# Altium PCB sudoku.PcbDoc (part 3 of 3)
Units mm, origin at the board's own origin, x right, y up, seen from the top; angles counter-clockwise.
Board outline 132.88 x 176.62 mm, 2 copper layers (Top Layer, Bottom Layer); 202 components, 219 nets, 913 pads, 533 vias.
Unrouted connection lines stored in the file: 35.
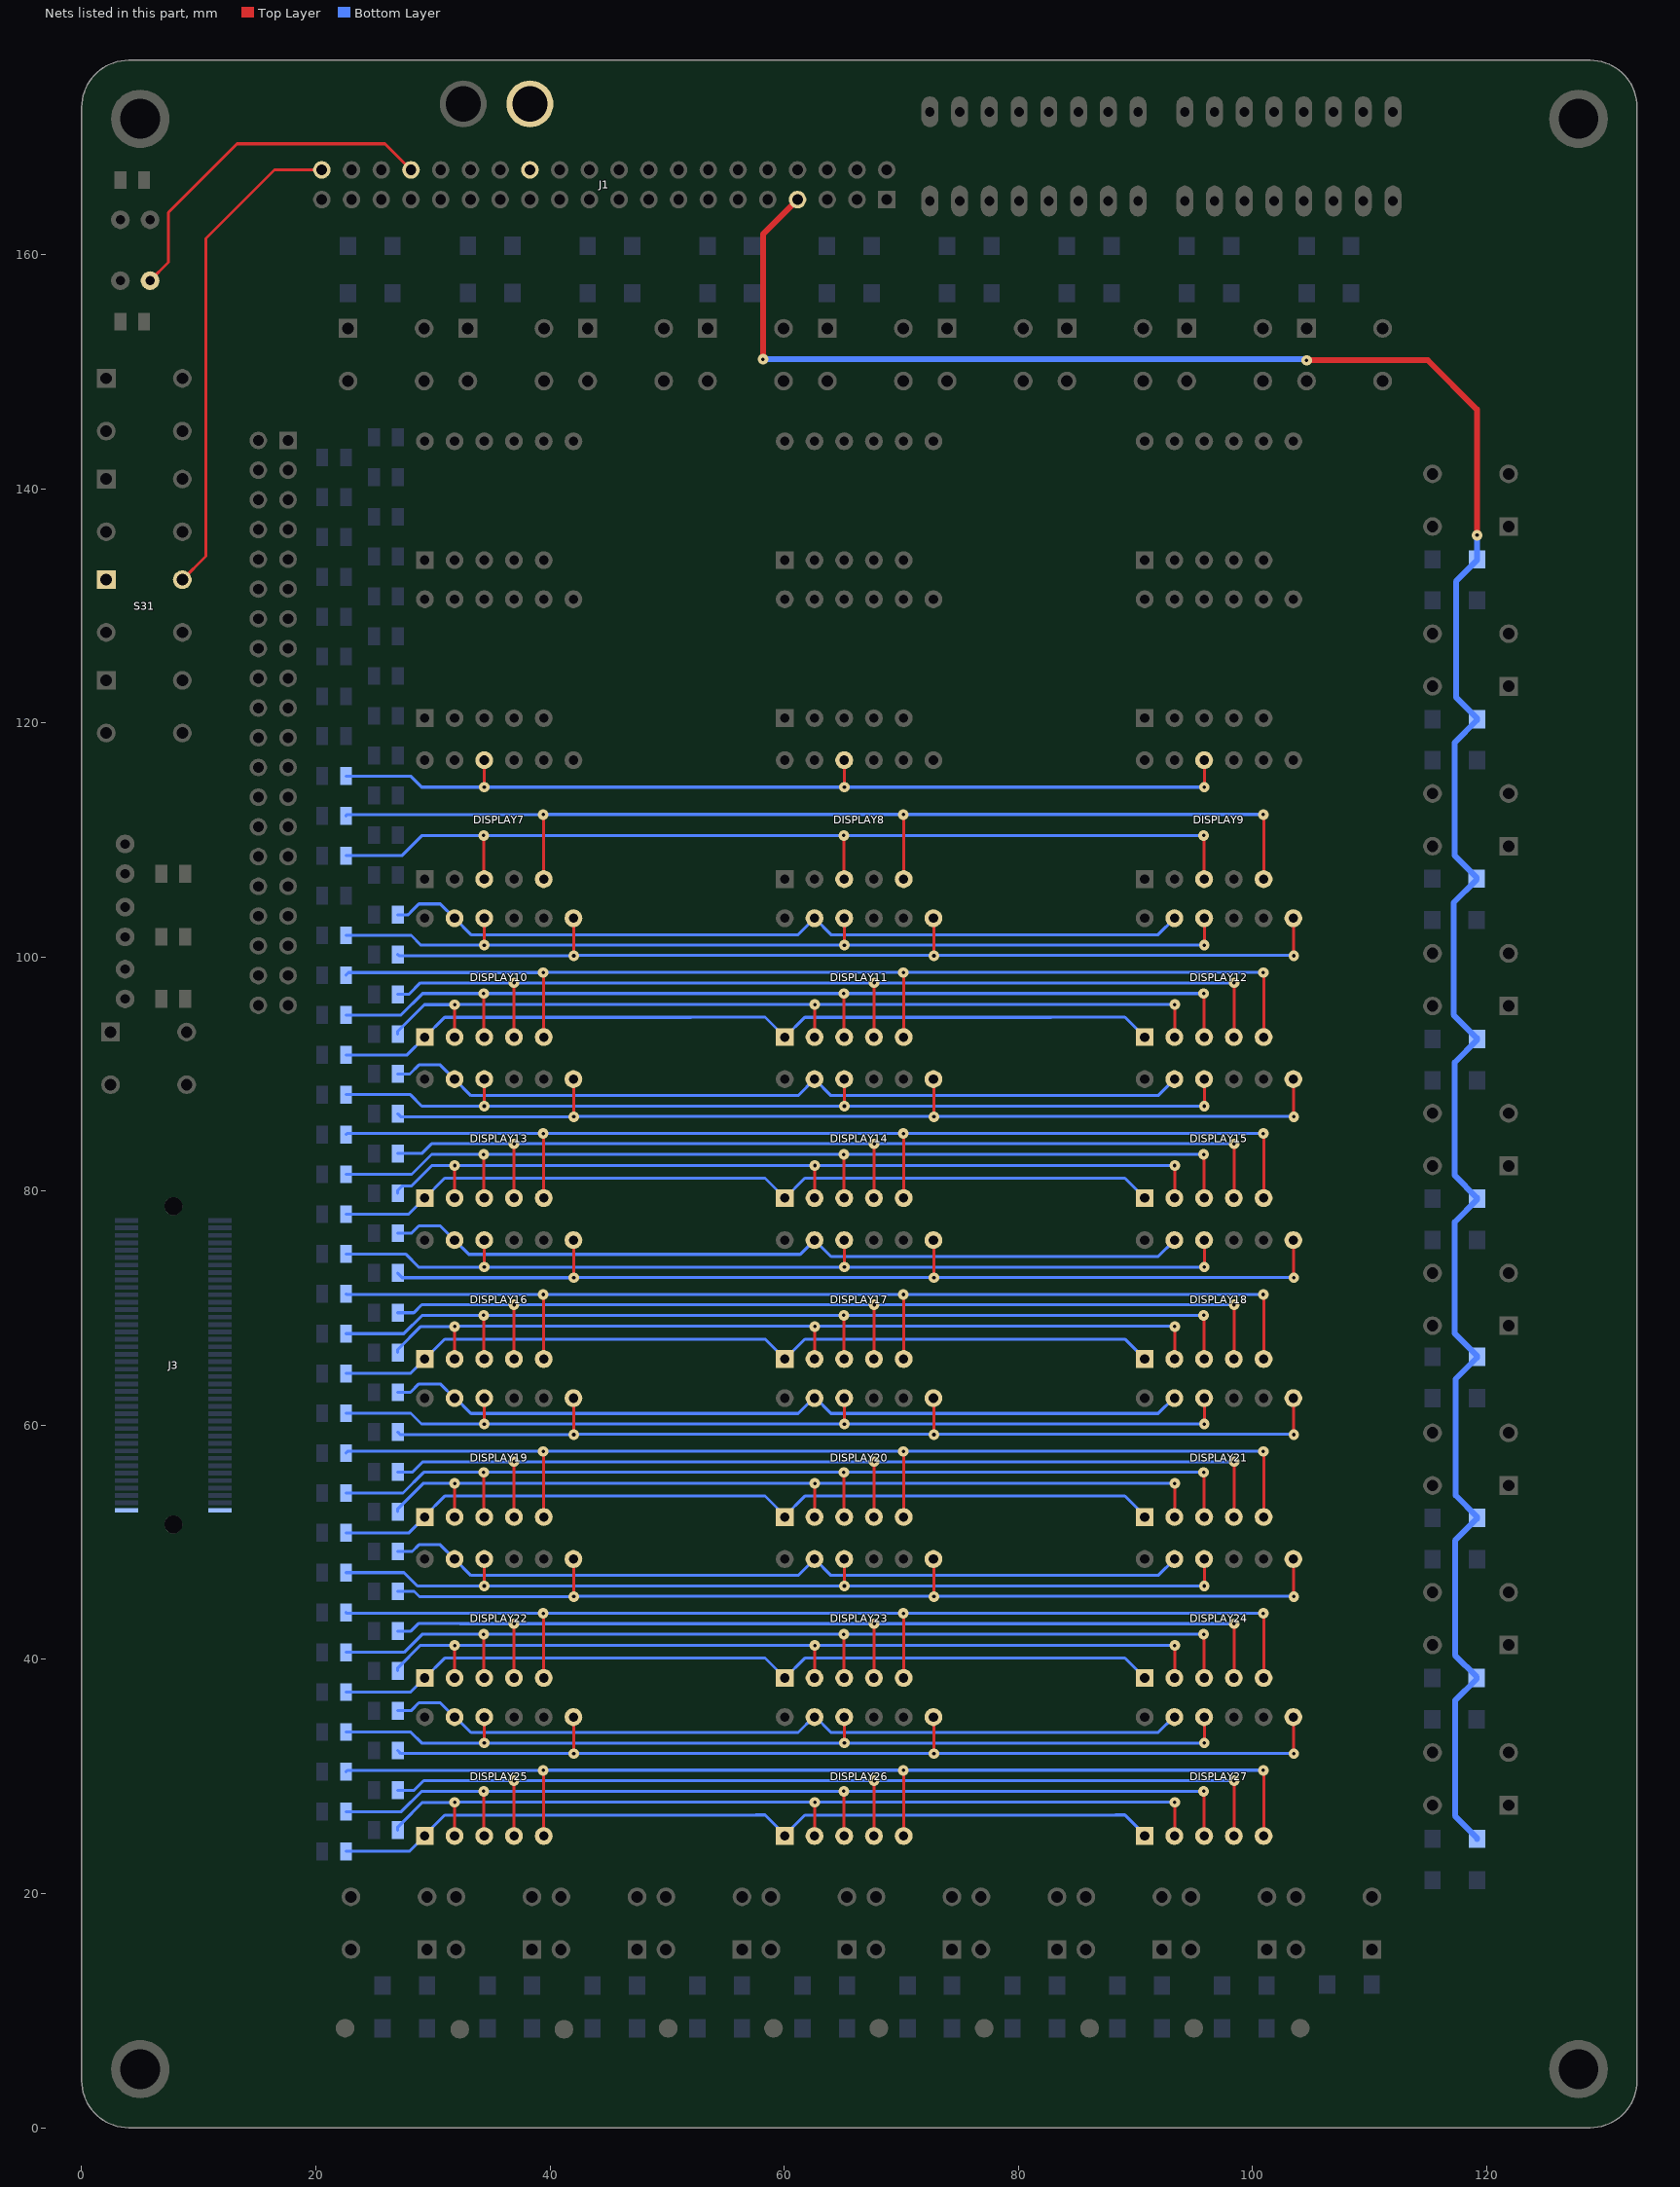
[diagram p3: the nets of this part, all layers, seen from the top]

## Via types
v1: diameter 0.9, hole 0.3, Top Layer to Bottom Layer, 533 vias

## Nets (pads, with @x,y where several pads share a name; then routed paths per layer and width w, separated by ;. In a path a pad name is that pad's centre, name@x,y a point inside that pad or via, vN(x,y) a via of type N, cw(c..) or ccw(c..) an arc to the next point about the centre after c; other vN are vias at no path point) (continued)
ROW2LED5: DISPLAY7.10 DISPLAY8.10 DISPLAY9.10 R70.2 | length 80.6
  Top Layer w0.254: v1(34.384,114.525) 34.386,114.527 34.386,116.828 DISPLAY7.10@34.389,116.83 ; v1(65.151,114.525) 65.153,114.527 65.153,116.828 DISPLAY8.10@65.155,116.83 ; v1(95.901,114.525) 95.903,114.527 95.903,116.828 DISPLAY9.10@95.905,116.83
  Bottom Layer w0.254: R70.2@22.57,115.477 28.091,115.477 29.043,114.525 v1(34.384,114.525) v1(65.151,114.525) v1(95.901,114.525)
ROW2LED6: DISPLAY7.5 DISPLAY8.5 DISPLAY9.5 R71.2 | length 95
  Top Layer w0.254: v1@39.46,112.154 39.46,106.678 DISPLAY7.5@39.469,106.67 ; v1(70.194,112.187) 70.227,112.154 70.227,106.678 DISPLAY8.5@70.235,106.67 ; v1(100.944,112.187) 100.977,112.154 100.977,106.678 DISPLAY9.5@100.985,106.67
  Bottom Layer w0.254: R71.2@22.57,112.074 22.683,112.187 v1(39.427,112.187) ; v1@39.44,112.2 70.181,112.2 v1(70.194,112.187) ; v1@70.19,112.2 v1@100.931,112.2
ROW2LED7: DISPLAY7.3 DISPLAY8.3 DISPLAY9.3 R72.2 | length 85.2
  Top Layer w0.254: v1@34.361,110.373 34.361,106.697 DISPLAY7.3@34.389,106.67 ; v1(65.101,110.4) 65.128,110.373 65.128,106.697 65.147,106.678 DISPLAY8.3@65.155,106.67 ; v1(95.851,110.4) 95.878,110.373 95.878,106.697 95.897,106.678 DISPLAY9.3@95.905,106.67
  Bottom Layer w0.254: R72.2@22.57,108.671 27.346,108.671 29.075,110.4 v1(34.334,110.4) ; v1@34.359,110.4 v1(65.101,110.4) ; v1@65.109,110.4 v1(95.851,110.4)
ROW3LED0: DISPLAY10.11 DISPLAY11.11 DISPLAY12.11 R25.2 | length 69.6
  Top Layer w0.254: DISPLAY10.11@31.841,103.323 DISPLAY10.11@31.849,103.33 ; DISPLAY11.11@62.608,103.323 DISPLAY11.11@62.615,103.33 ; DISPLAY12.11@93.358,103.323 DISPLAY12.11@93.365,103.33
  Bottom Layer w0.254: R25.2@27,103.625 27.889,103.625 28.09,103.826 28.09,103.835 28.804,104.549 30.63,104.549 DISPLAY10.11@31.849,103.33 33.254,101.925 61.21,101.925 62.607,103.322 62.615,103.33 64.02,101.925 ; 64.004,101.925 64.02,101.925 ; DISPLAY12.11@93.365,103.33 93.357,103.322 91.96,101.925 64.02,101.925
ROW3LED1: DISPLAY10.7 DISPLAY11.7 DISPLAY12.7 R26.2 | length 86.1
  Top Layer w0.254: v1@42.021,100.132 DISPLAY10.7@42.021,103.317 ; v1@72.788,100.132 DISPLAY11.7@72.788,103.317 ; v1@103.538,100.132 DISPLAY12.7@103.538,103.317
  Bottom Layer w0.254: R26.2@27,100.225 27.106,100.119 v1(42.034,100.119) ; v1@42.059,100.144 72.776,100.144 v1(72.801,100.119) ; v1@72.809,100.144 v1@103.526,100.144
  other v1: 103.551,100.119
ROW3LED2: DISPLAY10.4 DISPLAY11.4 DISPLAY12.4 R27.2 | length 85.8
  Top Layer w0.254: DISPLAY10.4@36.929,93.17 v1(36.929,97.806) ; DISPLAY11.4@67.695,93.17 v1(67.695,97.806) ; DISPLAY12.4@98.445,93.17 v1(98.445,97.806)
  Bottom Layer w0.254: R27.2@27,96.825 27.95,96.825 28.931,97.806 v1(36.929,97.806) v1(67.695,97.806) v1(98.445,97.806)
ROW3LED3: DISPLAY10.2 DISPLAY11.2 DISPLAY12.2 R28.2 | length 75.9
  Top Layer w0.254: DISPLAY10.2@31.849,93.17 31.854,93.175 31.854,95.939 v1(31.859,95.944) ; DISPLAY11.2@62.615,93.17 62.621,93.175 v1@62.621,95.945 ; v1@62.621,95.96 v1@62.626,95.965 ; DISPLAY12.2@93.365,93.17 93.371,93.175 v1@93.371,95.945 ; v1@93.371,95.96 v1@93.376,95.965
  Bottom Layer w0.254: R28.2@27,93.425 27,93.679 29.265,95.944 v1(31.859,95.944) 31.878,95.963 62.614,95.963 v1(62.626,95.95) ; v1@62.634,95.963 v1@93.364,95.963
  other v1: 93.376,95.95
ROW3LED4: DISPLAY10.1 DISPLAY11.1 DISPLAY12.1 R29.2 | length 75.2
  Bottom Layer w0.254: R29.2@22.57,91.657 27.796,91.657 DISPLAY10.1@29.309,93.17 31.001,94.862 50.31,94.862 ; 52.059,94.862 50.31,94.862 ; 82.826,94.862 81.06,94.862 ; DISPLAY12.1@90.825,93.17 89.12,94.875 88.326,94.875 81.06,94.862 ; 50.31,94.862 57.576,94.875 58.37,94.875 60.075,93.17 61.768,94.862 81.06,94.862
ROW3LED5: DISPLAY10.10 DISPLAY11.10 DISPLAY12.10 R31.2 | length 80.6
  Top Layer w0.254: v1(34.384,101.025) 34.386,101.027 34.386,103.328 DISPLAY10.10@34.389,103.33 ; v1(65.151,101.025) 65.153,101.027 65.153,103.328 DISPLAY11.10@65.155,103.33 ; v1(95.901,101.025) 95.903,101.027 95.903,103.328 DISPLAY12.10@95.905,103.33
  Bottom Layer w0.254: R31.2@22.57,101.866 28.147,101.866 28.987,101.025 v1(34.384,101.025) v1(65.151,101.025) v1(95.901,101.025)
ROW3LED6: DISPLAY10.5 DISPLAY11.5 DISPLAY12.5 R33.2 | length 95
  Top Layer w0.254: v1@39.46,98.654 39.46,93.178 DISPLAY10.5@39.469,93.17 ; v1(70.194,98.687) 70.227,98.654 70.227,93.178 DISPLAY11.5@70.235,93.17 ; v1(100.944,98.687) 100.977,98.654 100.977,93.178 DISPLAY12.5@100.985,93.17
  Bottom Layer w0.254: R33.2@22.57,98.463 22.795,98.687 v1(39.427,98.687) ; v1@39.44,98.7 70.181,98.7 v1(70.194,98.687) ; v1@70.19,98.7 v1@100.931,98.7
ROW3LED7: DISPLAY10.3 DISPLAY11.3 DISPLAY12.3 R35.2 | length 85.2
  Top Layer w0.254: v1@34.361,96.873 34.361,93.197 DISPLAY10.3@34.389,93.17 ; v1(65.101,96.9) 65.128,96.873 65.128,93.197 65.147,93.178 DISPLAY11.3@65.155,93.17 ; v1(95.851,96.9) 95.878,96.873 95.878,93.197 95.897,93.178 DISPLAY12.3@95.905,93.17
  Bottom Layer w0.254: R35.2@22.57,95.06 27.277,95.06 29.117,96.9 v1(34.334,96.9) ; v1@34.359,96.9 v1(65.101,96.9) ; v1@65.109,96.9 v1(95.851,96.9)
ROW4LED0: DISPLAY13.11 DISPLAY14.11 DISPLAY15.11 R38.2 | length 69.6
  Top Layer w0.254: DISPLAY13.11@31.841,89.573 DISPLAY13.11@31.849,89.58 ; DISPLAY13.11@31.841,89.823 DISPLAY13.11@31.849,89.83 ; DISPLAY14.11@62.608,89.573 DISPLAY14.11@62.615,89.58 ; DISPLAY14.11@62.608,89.823 DISPLAY14.11@62.615,89.83 ; DISPLAY15.11@93.358,89.573 DISPLAY15.11@93.365,89.58 ; DISPLAY15.11@93.358,89.823 DISPLAY15.11@93.365,89.83
  Bottom Layer w0.254: R38.2@27,90.025 28.03,90.025 28.804,90.799 30.63,90.799 DISPLAY13.11@31.849,89.58 33.254,88.175 61.21,88.175 62.607,89.572 62.615,89.58 64.02,88.175 ; 64.004,88.175 64.02,88.175 ; DISPLAY15.11@93.365,89.58 93.357,89.572 91.96,88.175 64.02,88.175
ROW4LED1: DISPLAY13.7 DISPLAY14.7 DISPLAY15.7 R40.2 | length 86.9
  Top Layer w0.254: v1@42.021,86.382 DISPLAY13.7@42.021,89.817 ; v1@72.788,86.382 DISPLAY14.7@72.788,89.817 ; v1@103.538,86.382 DISPLAY15.7@103.538,89.817
  Bottom Layer w0.254: R40.2@27,86.625 27.256,86.369 v1(42.034,86.369) ; v1@42.059,86.394 72.776,86.394 v1(72.801,86.369) ; v1@72.809,86.394 v1@103.526,86.394
  other v1: 103.551,86.369
ROW4LED2: DISPLAY13.4 DISPLAY14.4 DISPLAY15.4 R42.2 | length 85.7
  Top Layer w0.254: DISPLAY13.4@36.929,79.42 v1(36.929,84.056) ; DISPLAY14.4@67.695,79.42 v1(67.695,84.056) ; DISPLAY15.4@98.445,79.42 v1(98.445,84.056)
  Bottom Layer w0.254: R42.2@27,83.225 29.057,83.225 29.888,84.056 v1(36.929,84.056) v1(67.695,84.056) v1(98.445,84.056)
ROW4LED3: DISPLAY13.2 DISPLAY14.2 DISPLAY15.2 R44.2 | length 75.8
  Top Layer w0.254: DISPLAY13.2@31.849,79.42 31.854,79.425 v1@31.854,82.195 ; DISPLAY14.2@62.615,79.42 62.621,79.425 v1@62.621,82.195 ; v1@62.621,82.21 v1@62.626,82.215 ; DISPLAY15.2@93.365,79.42 93.371,79.425 v1@93.371,82.195 ; v1@93.371,82.21 v1@93.376,82.215
  Bottom Layer w0.254: R44.2@27,79.825 27,80.079 27.381,80.46 28.178,80.46 29.918,82.2 v1(31.859,82.2) ; v1@31.884,82.213 62.614,82.213 v1(62.626,82.2) ; v1@62.634,82.213 v1@93.364,82.213
  other v1: 93.376,82.2
ROW4LED4: DISPLAY13.1 DISPLAY14.1 DISPLAY15.1 R45.2 | length 75.2
  Bottom Layer w0.254: R45.2@22.57,78.046 27.934,78.046 DISPLAY13.1@29.309,79.42 31.001,81.112 50.31,81.112 ; 52.059,81.112 50.31,81.112 ; 82.826,81.112 81.06,81.112 ; DISPLAY15.1@90.825,79.42 89.12,81.125 88.326,81.125 81.06,81.112 ; 50.31,81.112 57.576,81.125 58.37,81.125 60.075,79.42 61.768,81.112 81.06,81.112
ROW4LED5: DISPLAY13.10 DISPLAY14.10 DISPLAY15.10 R47.2 | length 81.4
  Top Layer w0.254: v1(34.384,87.275) 34.386,87.277 DISPLAY13.10@34.386,89.578 ; DISPLAY13.10@34.389,89.58 DISPLAY13.10@34.386,89.578 ; DISPLAY13.10@34.389,89.83 34.386,89.828 DISPLAY13.10@34.386,89.578 ; v1(65.151,87.275) 65.153,87.277 DISPLAY14.10@65.153,89.578 ; DISPLAY14.10@65.155,89.58 DISPLAY14.10@65.153,89.578 ; DISPLAY14.10@65.155,89.83 65.153,89.828 DISPLAY14.10@65.153,89.578 ; v1(95.901,87.275) 95.903,87.277 DISPLAY15.10@95.903,89.578 ; DISPLAY15.10@95.905,89.58 DISPLAY15.10@95.903,89.578 ; DISPLAY15.10@95.905,89.83 95.903,89.828 DISPLAY15.10@95.903,89.578
  Bottom Layer w0.254: R47.2@22.57,88.254 28.077,88.254 29.057,87.275 v1(34.384,87.275) v1(65.151,87.275) v1(95.901,87.275)
ROW4LED6: DISPLAY13.5 DISPLAY14.5 DISPLAY15.5 R49.2 | length 94.9
  Top Layer w0.254: v1@39.46,84.904 39.46,79.428 DISPLAY13.5@39.469,79.42 ; v1(70.194,84.937) 70.227,84.904 70.227,79.428 DISPLAY14.5@70.235,79.42 ; v1(100.944,84.937) 100.977,84.904 100.977,79.428 DISPLAY15.5@100.985,79.42
  Bottom Layer w0.254: R49.2@22.57,84.851 22.656,84.937 v1(39.427,84.937) ; v1@39.44,84.95 70.181,84.95 v1(70.194,84.937) ; v1@70.19,84.95 v1@100.931,84.95
ROW4LED7: DISPLAY13.3 DISPLAY14.3 DISPLAY15.3 R51.2 | length 85.2
  Top Layer w0.254: v1@34.361,83.123 34.361,79.447 DISPLAY13.3@34.389,79.42 ; v1(65.101,83.15) 65.128,83.123 65.128,79.447 DISPLAY14.3@65.155,79.42 ; v1(95.851,83.15) 95.878,83.123 95.878,79.447 DISPLAY15.3@95.905,79.42
  Bottom Layer w0.254: R51.2@22.57,81.449 28.192,81.449 29.893,83.15 v1(34.334,83.15) ; v1@34.359,83.15 v1(65.101,83.15) ; v1@65.109,83.15 v1(95.851,83.15)
ROW5LED0: DISPLAY16.11 DISPLAY17.11 DISPLAY18.11 R54.2 | length 69.4
  Top Layer w0.254: DISPLAY16.11@31.841,75.823 DISPLAY16.11@31.849,75.83 ; DISPLAY16.11@31.841,76.073 DISPLAY16.11@31.849,76.08 ; DISPLAY17.11@62.608,75.823 DISPLAY17.11@62.615,75.83 ; DISPLAY17.11@62.608,76.073 DISPLAY17.11@62.615,76.08 ; DISPLAY18.11@93.358,75.823 DISPLAY18.11@93.365,75.83 ; DISPLAY18.11@93.358,76.073 DISPLAY18.11@93.365,76.08
  Bottom Layer w0.254: R54.2@27,76.425 28.18,76.425 28.804,77.049 30.63,77.049 DISPLAY16.11@31.849,75.83 33.068,74.611 61.38,74.611 DISPLAY17.11@62.599,75.83 62.615,75.83 64.02,74.425 91.96,74.425 DISPLAY18.11@93.365,75.83
ROW5LED1: DISPLAY16.7 DISPLAY17.7 DISPLAY18.7 R56.2 | length 87
  Top Layer w0.254: v1@42.021,72.632 DISPLAY16.7@42.021,76.067 ; v1@72.788,72.632 DISPLAY17.7@72.788,76.067 ; v1@103.538,72.632 DISPLAY18.7@103.538,76.067
  Bottom Layer w0.254: R56.2@27,73.025 27,73 27.381,72.619 v1(42.034,72.619) ; v1@42.059,72.644 72.776,72.644 v1(72.801,72.619) ; v1@72.809,72.644 82.526,72.644 v1@103.526,72.644
  other v1: 103.551,72.619
ROW5LED2: DISPLAY16.4 DISPLAY17.4 DISPLAY18.4 R58.2 | length 85.6
  Top Layer w0.254: DISPLAY16.4@36.929,65.67 v1(36.929,70.306) ; DISPLAY17.4@67.695,65.67 v1(67.695,70.306) ; DISPLAY18.4@98.445,65.67 v1(98.445,70.306)
  Bottom Layer w0.254: R58.2@27,69.625 28.375,69.625 29.056,70.306 v1(36.929,70.306) v1(67.695,70.306) v1(98.445,70.306)
ROW5LED3: DISPLAY16.2 DISPLAY17.2 DISPLAY18.2 R60.2 | length 75.8
  Top Layer w0.254: DISPLAY16.2@31.849,65.67 31.854,65.675 v1@31.854,68.445 ; DISPLAY17.2@62.615,65.67 62.621,65.675 v1@62.621,68.445 ; v1@62.621,68.46 v1@62.626,68.465 ; DISPLAY18.2@93.365,65.67 93.371,65.675 v1@93.371,68.445 ; v1@93.371,68.46 v1@93.376,68.465
  Bottom Layer w0.254: R60.2@27,66.225 27,66.479 28.971,68.45 v1(31.859,68.45) ; v1@31.884,68.462 62.614,68.462 v1(62.626,68.45) ; v1@62.634,68.462 v1@93.364,68.462
  other v1: 93.376,68.45
ROW5LED4: DISPLAY16.1 DISPLAY17.1 DISPLAY18.1 R61.2 | length 75.1
  Bottom Layer w0.254: R61.2@22.57,64.434 28.073,64.434 DISPLAY16.1@29.309,65.67 31.001,67.363 50.31,67.363 ; 52.059,67.363 50.31,67.363 ; 82.826,67.363 81.06,67.363 ; DISPLAY18.1@90.825,65.67 89.12,67.375 88.326,67.375 81.06,67.363 ; 50.31,67.363 57.576,67.375 58.37,67.375 60.075,65.67 61.768,67.363 81.06,67.363
ROW5LED5: DISPLAY16.10 DISPLAY17.10 DISPLAY18.10 R63.2 | length 81.5
  Top Layer w0.254: v1(34.384,73.525) 34.386,73.527 DISPLAY16.10@34.386,75.828 ; DISPLAY16.10@34.389,75.83 DISPLAY16.10@34.386,75.828 ; DISPLAY16.10@34.389,76.08 34.386,76.078 DISPLAY16.10@34.386,75.828 ; v1(65.151,73.525) 65.153,73.527 DISPLAY17.10@65.153,75.828 ; DISPLAY17.10@65.155,75.83 DISPLAY17.10@65.153,75.828 ; DISPLAY17.10@65.155,76.08 65.153,76.078 DISPLAY17.10@65.153,75.828 ; v1(95.901,73.525) v1(95.901,73.525) DISPLAY18.10@95.903,75.828 ; DISPLAY18.10@95.905,75.83 DISPLAY18.10@95.903,75.828 ; DISPLAY18.10@95.905,76.08 95.903,76.078 DISPLAY18.10@95.903,75.828
  Bottom Layer w0.254: R63.2@22.57,74.643 27.667,74.643 28.81,73.5 34.359,73.5 v1(34.384,73.525) v1(65.151,73.525) v1(95.901,73.525)
ROW5LED6: DISPLAY16.5 DISPLAY17.5 DISPLAY18.5 R65.2 | length 94.9
  Top Layer w0.254: v1@39.46,71.154 39.46,65.678 DISPLAY16.5@39.469,65.67 ; v1(70.194,71.187) 70.227,71.154 70.227,65.678 DISPLAY17.5@70.235,65.67 ; v1(100.944,71.187) 100.977,71.154 100.977,65.678 DISPLAY18.5@100.985,65.67
  Bottom Layer w0.254: R65.2@22.57,71.24 22.623,71.187 v1(39.427,71.187) ; v1@39.44,71.2 70.181,71.2 v1(70.194,71.187) ; v1@70.19,71.2 v1@100.931,71.2
ROW5LED7: DISPLAY16.3 DISPLAY17.3 DISPLAY18.3 R67.2 | length 85.1
  Top Layer w0.254: v1@34.361,69.373 34.361,65.697 DISPLAY16.3@34.389,65.67 ; v1(65.101,69.4) 65.128,69.373 65.128,65.697 DISPLAY17.3@65.155,65.67 ; v1(95.851,69.4) 95.878,69.373 95.878,65.697 DISPLAY18.3@95.905,65.67
  Bottom Layer w0.254: R67.2@22.57,67.837 27.512,67.837 29.075,69.4 v1(34.334,69.4) ; v1@34.359,69.4 v1(65.101,69.4) ; v1@65.109,69.4 v1(95.851,69.4)
ROW6LED0: DISPLAY19.11 DISPLAY20.11 DISPLAY21.11 R4.1 | length 69.6
  Top Layer w0.254: DISPLAY19.11@31.841,62.323 DISPLAY19.11@31.849,62.33 ; DISPLAY19.11@31.841,62.413 DISPLAY19.11@31.849,62.42 ; DISPLAY20.11@62.608,62.323 DISPLAY20.11@62.615,62.33 ; DISPLAY20.11@62.608,62.413 DISPLAY20.11@62.615,62.42 ; DISPLAY21.11@93.358,62.323 DISPLAY21.11@93.365,62.33 ; DISPLAY21.11@93.358,62.413 DISPLAY21.11@93.365,62.42
  Bottom Layer w0.254: R4.1@27,62.825 28.08,62.825 28.804,63.549 30.63,63.549 DISPLAY19.11@31.849,62.33 ; DISPLAY19.11@31.849,62.42 33.254,61.015 61.21,61.015 62.562,62.367 62.615,62.42 64.02,61.015 ; 64.004,61.015 64.02,61.015 ; DISPLAY21.11@93.365,62.42 93.312,62.367 91.96,61.015 64.02,61.015
ROW6LED1: DISPLAY19.7 DISPLAY20.7 DISPLAY21.7 R6.1 | length 86.4
  Top Layer w0.254: v1@42.021,59.132 42.021,62.33 DISPLAY19.7@42.021,62.407 ; v1@72.788,59.132 DISPLAY20.7@72.788,62.407 ; v1@103.538,59.132 DISPLAY21.7@103.538,62.407
  Bottom Layer w0.254: R6.1@27,59.425 27.216,59.209 v1(42.034,59.209) ; v1@42.059,59.234 72.776,59.234 v1(72.801,59.209) ; v1@72.809,59.234 82.526,59.234 v1@103.526,59.234
  other v1: 103.551,59.209
ROW6LED2: DISPLAY19.4 DISPLAY20.4 DISPLAY21.4 R8.1 | length 85.7
  Top Layer w0.254: DISPLAY19.4@36.929,52.26 v1(36.929,56.896) ; DISPLAY20.4@67.695,52.26 v1(67.695,56.896) ; DISPLAY21.4@98.445,52.26 v1(98.445,56.896)
  Bottom Layer w0.254: R8.1@27,56.025 28.276,56.025 29.147,56.896 v1(36.929,56.896) v1(67.695,56.896) v1(98.445,56.896)
ROW6LED3: DISPLAY19.2 DISPLAY20.2 DISPLAY21.2 R10.1 | length 75.8
  Top Layer w0.254: DISPLAY19.2@31.849,52.26 31.854,52.266 v1@31.854,55.035 ; DISPLAY20.2@62.615,52.26 62.621,52.266 v1@62.621,55.035 ; v1@62.621,55.05 v1@62.626,55.055 ; DISPLAY21.2@93.365,52.26 93.371,52.266 v1@93.371,55.035 ; v1@93.371,55.05 v1@93.376,55.055
  Bottom Layer w0.254: R10.1@27,52.625 27,52.879 29.161,55.04 v1(31.859,55.04) ; v1@31.884,55.053 62.614,55.053 v1(62.626,55.04) ; v1@62.634,55.053 v1@93.364,55.053
  other v1: 93.376,55.04
ROW6LED4: DISPLAY19.1 DISPLAY20.1 DISPLAY21.1 R12.1 | length 75.1
  Bottom Layer w0.254: R12.1@22.57,50.823 27.961,50.823 DISPLAY19.1@29.309,52.17 ; DISPLAY19.1@29.309,52.26 31.001,53.953 50.31,53.953 ; 52.059,53.953 50.31,53.953 ; 82.826,53.953 81.06,53.953 ; DISPLAY21.1@90.825,52.26 89.12,53.965 88.326,53.965 81.06,53.953 ; 50.31,53.953 57.576,53.965 58.37,53.965 60.075,52.26 61.768,53.953 81.06,53.953
ROW6LED5: DISPLAY19.10 DISPLAY20.10 DISPLAY21.10 R14.1 | length 80.9
  Top Layer w0.254: v1(34.384,60.115) v1@34.386,60.117 ; v1@34.386,60.027 v1@34.386,60.117 ; DISPLAY19.10@34.389,62.33 DISPLAY19.10@34.386,62.328 ; DISPLAY19.10@34.389,62.42 34.386,62.418 DISPLAY19.10@34.386,62.328 ; v1(65.151,60.115) v1@65.153,60.117 ; v1@65.153,60.027 v1@65.153,60.117 ; DISPLAY20.10@65.155,62.33 DISPLAY20.10@65.153,62.328 ; DISPLAY20.10@65.155,62.42 65.153,62.418 DISPLAY20.10@65.153,62.328 ; v1(95.901,60.115) v1@95.903,60.117 ; v1@95.903,60.027 v1@95.903,60.117 ; DISPLAY21.10@95.905,62.33 DISPLAY21.10@95.903,62.328 ; DISPLAY21.10@95.905,62.42 95.903,62.418 DISPLAY21.10@95.903,62.328 ; v1@34.386,60.117 DISPLAY19.10@34.386,62.328 ; v1@65.153,60.117 DISPLAY20.10@65.153,62.328 ; v1@95.903,60.117 DISPLAY21.10@95.903,62.328
  Bottom Layer w0.254: R14.1@22.57,61.031 28.109,61.031 29.025,60.115 v1(34.384,60.115) v1(65.151,60.115) v1(95.901,60.115)
ROW6LED6: DISPLAY19.5 DISPLAY20.5 DISPLAY21.5 R15.1 | length 95
  Top Layer w0.254: v1@39.46,57.744 39.46,52.268 DISPLAY19.5@39.469,52.26 ; v1(70.194,57.777) 70.227,57.744 70.227,52.268 DISPLAY20.5@70.235,52.26 ; v1(100.944,57.777) 100.977,57.744 100.977,52.268 DISPLAY21.5@100.985,52.26
  Bottom Layer w0.254: R15.1@22.57,57.629 22.719,57.777 v1(39.427,57.777) ; v1@39.44,57.79 70.181,57.79 v1(70.194,57.777) ; v1@70.19,57.79 v1@100.931,57.79
ROW6LED7: DISPLAY19.3 DISPLAY20.3 DISPLAY21.3 R17.1 | length 85.2
  Top Layer w0.254: v1@34.361,55.963 34.361,52.287 DISPLAY19.3@34.389,52.26 ; v1(65.101,55.99) 65.128,55.963 65.128,52.287 DISPLAY20.3@65.155,52.26 ; v1(95.851,55.99) 95.878,55.963 95.878,52.287 DISPLAY21.3@95.905,52.26
  Bottom Layer w0.254: R17.1@22.57,54.226 27.449,54.226 29.213,55.99 v1(34.334,55.99) ; v1@34.359,55.99 v1(65.101,55.99) ; v1@65.109,55.99 82.776,55.99 v1(95.851,55.99)
ROW7LED0: DISPLAY22.11 DISPLAY23.11 DISPLAY24.11 R1.1 | length 69.5
  Top Layer w0.254: DISPLAY22.11@31.841,48.573 DISPLAY22.11@31.849,48.58 ; DISPLAY22.11@31.841,48.913 DISPLAY22.11@31.849,48.92 ; DISPLAY23.11@62.608,48.573 DISPLAY23.11@62.615,48.58 ; DISPLAY23.11@62.608,48.913 DISPLAY23.11@62.615,48.92 ; DISPLAY24.11@93.358,48.573 DISPLAY24.11@93.365,48.58 ; DISPLAY24.11@93.358,48.913 DISPLAY24.11@93.365,48.92
  Bottom Layer w0.254: R1.1@27,49.225 28.23,49.225 28.804,49.799 30.63,49.799 DISPLAY22.11@31.849,48.58 33.254,47.175 61.21,47.175 62.607,48.572 62.615,48.58 64.02,47.175 ; 64.004,47.175 64.02,47.175 ; DISPLAY24.11@93.365,48.58 93.357,48.572 91.96,47.175 64.02,47.175
ROW7LED1: DISPLAY22.7 DISPLAY23.7 DISPLAY24.7 R2.1 | length 87.3
  Top Layer w0.254: v1@42.021,45.382 DISPLAY22.7@42.021,48.907 ; v1@72.788,45.382 DISPLAY23.7@72.788,48.907 ; v1@103.538,45.382 DISPLAY24.7@103.538,48.907
  Bottom Layer w0.254: R2.1@27,45.825 28.407,45.825 28.863,45.369 v1(42.034,45.369) ; v1@42.059,45.394 72.776,45.394 v1(72.801,45.369) ; v1@72.809,45.394 82.526,45.394 v1@103.526,45.394
  other v1: 103.551,45.369
ROW7LED2: DISPLAY22.4 DISPLAY23.4 DISPLAY24.4 R3.1 | length 85.6
  Top Layer w0.254: DISPLAY22.4@36.929,38.42 v1(36.929,43.056) ; DISPLAY23.4@67.695,38.42 v1(67.695,43.056) ; DISPLAY24.4@98.445,38.42 v1(98.445,43.056)
  Bottom Layer w0.254: R3.1@27,42.425 28.125,42.425 28.758,43.058 32.308,43.058 32.31,43.056 v1(36.929,43.056) v1(67.695,43.056) v1(98.445,43.056)
ROW7LED3: DISPLAY22.2 DISPLAY23.2 DISPLAY24.2 R5.1 | length 75.7
  Top Layer w0.254: DISPLAY22.2@31.849,38.42 31.854,38.425 v1@31.854,41.195 ; DISPLAY23.2@62.615,38.42 62.621,38.425 v1@62.621,41.195 ; v1@62.621,41.21 v1@62.626,41.215 ; DISPLAY24.2@93.365,38.42 93.371,38.425 v1@93.371,41.195 ; v1@93.371,41.21 v1@93.376,41.215
  Bottom Layer w0.254: R5.1@27,39.025 27,39.279 28.921,41.2 v1(31.859,41.2) ; v1@31.884,41.213 62.614,41.213 v1(62.626,41.2) ; v1@62.634,41.213 v1@93.364,41.213
  other v1: 93.376,41.2
ROW7LED4: DISPLAY22.1 DISPLAY23.1 DISPLAY24.1 R7.1 | length 75.1
  Bottom Layer w0.254: R7.1@22.57,37.211 28.1,37.211 DISPLAY22.1@29.309,38.42 31.001,40.112 50.31,40.112 ; 52.059,40.112 50.31,40.112 ; 82.826,40.112 81.06,40.112 ; DISPLAY24.1@90.825,38.42 89.12,40.125 88.326,40.125 81.06,40.112 ; 50.31,40.112 57.576,40.125 58.37,40.125 60.075,38.42 61.768,40.112 81.06,40.112
ROW7LED5: DISPLAY22.10 DISPLAY23.10 DISPLAY24.10 R9.1 | length 81.8
  Top Layer w0.254: v1(34.384,46.275) 34.386,46.277 DISPLAY22.10@34.386,48.578 ; DISPLAY22.10@34.389,48.58 DISPLAY22.10@34.386,48.578 ; DISPLAY22.10@34.389,48.92 34.386,48.918 DISPLAY22.10@34.386,48.578 ; v1(65.151,46.275) 65.153,46.277 DISPLAY23.10@65.153,48.578 ; DISPLAY23.10@65.155,48.58 DISPLAY23.10@65.153,48.578 ; DISPLAY23.10@65.155,48.92 65.153,48.918 DISPLAY23.10@65.153,48.578 ; v1(95.901,46.275) 95.903,46.277 DISPLAY24.10@95.903,48.578 ; DISPLAY24.10@95.905,48.58 DISPLAY24.10@95.903,48.578 ; DISPLAY24.10@95.905,48.92 95.903,48.918 DISPLAY24.10@95.903,48.578
  Bottom Layer w0.254: R9.1@22.57,47.42 27.53,47.42 28.675,46.275 v1(34.384,46.275) v1(65.151,46.275) v1(95.901,46.275)
ROW7LED6: DISPLAY22.5 DISPLAY23.5 DISPLAY24.5 R11.1 | length 94.9
  Top Layer w0.254: v1@39.46,43.904 39.46,38.428 DISPLAY22.5@39.469,38.42 ; v1(70.194,43.937) 70.227,43.904 70.227,38.428 DISPLAY23.5@70.235,38.42 ; v1(100.944,43.937) 100.977,43.904 100.977,38.428 DISPLAY24.5@100.985,38.42
  Bottom Layer w0.254: R11.1@22.57,44.017 22.651,43.937 v1(39.427,43.937) ; v1@39.44,43.95 70.181,43.95 v1(70.194,43.937) ; v1@70.19,43.95 v1@100.931,43.95
ROW7LED7: DISPLAY22.3 DISPLAY23.3 DISPLAY24.3 R13.1 | length 85.1
  Top Layer w0.254: v1@34.361,42.123 34.361,38.447 DISPLAY22.3@34.389,38.42 ; v1(65.101,42.15) 65.128,42.123 65.128,38.447 65.147,38.428 DISPLAY23.3@65.155,38.42 ; v1(95.851,42.15) 95.878,42.123 95.878,38.447 95.897,38.428 DISPLAY24.3@95.905,38.42
  Bottom Layer w0.254: R13.1@22.57,40.614 27.539,40.614 29.075,42.15 v1(34.334,42.15) ; v1@34.359,42.15 v1(65.101,42.15) ; v1@65.109,42.15 v1(95.851,42.15)
ROW8LED0: DISPLAY25.11 DISPLAY26.11 DISPLAY27.11 R16.1 | length 73.4
  Top Layer w0.254: DISPLAY25.11@31.841,35.073 DISPLAY25.11@31.849,35.08 ; DISPLAY25.11@31.841,35.163 DISPLAY25.11@31.849,35.17 ; DISPLAY26.11@62.608,35.073 DISPLAY26.11@62.615,35.08 ; DISPLAY26.11@62.608,35.163 DISPLAY26.11@62.615,35.17 ; DISPLAY27.11@93.358,35.073 DISPLAY27.11@93.365,35.08 ; DISPLAY27.11@93.358,35.163 DISPLAY27.11@93.365,35.17
  Bottom Layer w0.254: R16.1@27,35.625 28.13,35.625 28.804,36.299 30.63,36.299 DISPLAY25.11@31.849,35.08 ; DISPLAY25.11@31.849,35.17 31.894,35.125 33.254,33.765 51.809,33.765 ; 49.905,33.765 61.21,33.765 62.562,35.117 62.615,35.17 62.652,35.133 64.02,33.765 ; 64.004,33.765 64.02,33.765 ; 80.655,33.765 91.96,33.765 93.312,35.117 DISPLAY27.11@93.365,35.17 ; 82.576,33.765 64.02,33.765
ROW8LED1: DISPLAY25.7 DISPLAY26.7 DISPLAY27.7 R18.1 | length 86.4
  Top Layer w0.254: v1@42.021,31.882 42.021,35.08 DISPLAY25.7@42.021,35.157 ; v1@72.788,31.882 DISPLAY26.7@72.788,35.157 ; v1@103.538,31.882 DISPLAY27.7@103.538,35.157
  Bottom Layer w0.254: R18.1@27,32.225 27.266,31.959 v1(42.034,31.959) ; v1@42.059,31.984 72.776,31.984 v1(72.801,31.959) ; v1@72.809,31.984 82.526,31.984 v1@103.526,31.984
  other v1: 103.551,31.959
ROW8LED2: DISPLAY25.4 DISPLAY26.4 DISPLAY27.4 R19.1 | length 85.7
  Top Layer w0.254: DISPLAY25.4@36.929,25.01 v1(36.929,29.646) ; DISPLAY26.4@67.695,25.01 v1(67.695,29.646) ; DISPLAY27.4@98.445,25.01 v1(98.445,29.646)
  Bottom Layer w0.254: R19.1@27,28.825 28.4,28.825 29.221,29.646 v1(36.929,29.646) v1(67.695,29.646) v1(98.445,29.646)
ROW8LED3: DISPLAY25.2 DISPLAY26.2 DISPLAY27.2 R20.1 | length 75.8
  Top Layer w0.254: DISPLAY25.2@31.849,25.01 31.854,25.015 v1@31.854,27.785 ; DISPLAY26.2@62.615,25.01 62.621,25.015 v1@62.621,27.785 ; v1@62.621,27.8 v1@62.626,27.805 ; DISPLAY27.2@93.365,25.01 93.371,25.015 v1@93.371,27.785 ; v1@93.371,27.8 v1@93.376,27.805
  Bottom Layer w0.254: R20.1@27,25.425 27,25.679 27.381,26.06 29.111,27.79 v1(31.859,27.79) ; v1@31.884,27.803 62.614,27.803 v1(62.626,27.79) ; v1@62.634,27.803 v1@93.364,27.803
  other v1: 93.376,27.79
ROW8LED4: DISPLAY25.1 DISPLAY26.1 DISPLAY27.1 R21.1 | length 75.1
  Bottom Layer w0.254: R21.1@22.57,23.6 27.989,23.6 DISPLAY25.1@29.309,24.92 ; DISPLAY25.1@29.309,25.01 31.001,26.703 50.31,26.703 ; 52.059,26.703 50.31,26.703 ; 82.826,26.703 81.06,26.703 ; DISPLAY27.1@90.825,25.01 89.12,26.715 88.326,26.715 81.06,26.703 ; 50.31,26.703 57.576,26.715 58.37,26.715 60.075,25.01 61.768,26.703 81.06,26.703
ROW8LED5: DISPLAY25.10 DISPLAY26.10 DISPLAY27.10 R22.1 | length 80.9
  Top Layer w0.254: v1(34.384,32.865) v1@34.386,32.867 ; v1@34.386,32.777 v1@34.386,32.867 ; DISPLAY25.10@34.389,35.08 DISPLAY25.10@34.386,35.078 ; DISPLAY25.10@34.389,35.17 34.386,35.168 DISPLAY25.10@34.386,35.078 ; v1(65.151,32.865) v1@65.153,32.867 ; v1@65.153,32.777 v1@65.153,32.867 ; DISPLAY26.10@65.155,35.08 DISPLAY26.10@65.153,35.078 ; DISPLAY26.10@65.155,35.17 65.153,35.168 DISPLAY26.10@65.153,35.078 ; v1(95.901,32.865) v1@95.903,32.867 ; v1@95.903,32.777 v1@95.903,32.867 ; DISPLAY27.10@95.905,35.08 DISPLAY27.10@95.903,35.078 ; DISPLAY27.10@95.905,35.17 95.903,35.168 DISPLAY27.10@95.903,35.078 ; v1@34.386,32.867 DISPLAY25.10@34.386,35.078 ; v1@65.153,32.867 DISPLAY26.10@65.153,35.078 ; v1@95.903,32.867 DISPLAY27.10@95.903,35.078
  Bottom Layer w0.254: R22.1@22.57,33.809 28.095,33.809 29.039,32.865 v1(34.384,32.865) v1(65.151,32.865) v1(95.901,32.865)
ROW8LED6: DISPLAY25.5 DISPLAY26.5 DISPLAY27.5 R23.1 | length 95
  Top Layer w0.254: v1@39.46,30.494 39.46,25.018 DISPLAY25.5@39.469,25.01 ; v1(70.194,30.527) 70.227,30.494 70.227,25.018 DISPLAY26.5@70.235,25.01 ; v1(100.944,30.527) 100.977,30.494 100.977,25.018 DISPLAY27.5@100.985,25.01
  Bottom Layer w0.254: R23.1@22.57,30.406 22.692,30.527 v1(39.427,30.527) ; v1@39.44,30.54 70.181,30.54 v1(70.194,30.527) ; v1@70.19,30.54 v1@100.931,30.54
ROW8LED7: DISPLAY25.3 DISPLAY26.3 DISPLAY27.3 R24.1 | length 85.2
  Top Layer w0.254: v1@34.361,28.713 34.361,25.037 DISPLAY25.3@34.389,25.01 ; v1(65.101,28.74) 65.128,28.713 65.128,25.037 DISPLAY26.3@65.155,25.01 ; v1(95.851,28.74) 95.878,28.713 95.878,25.037 DISPLAY27.3@95.905,25.01
  Bottom Layer w0.254: R24.1@22.57,27.003 27.303,27.003 29.04,28.74 v1(34.334,28.74) ; v1@34.359,28.74 v1(65.101,28.74) ; v1@65.109,28.74 82.776,28.74 v1(95.851,28.74)
ROWON: D1.1 D7.1 D13.1 D19.1 D25.1 D31.1 D37.1 D43.1 D49.1 J1.7 | length 212.2
  Top Layer w0.5: v1(58.2,151.088) 58.2,161.775 J1.7@61.15,164.725 ; v1(104.639,150.992) 115.008,150.992 119.2,146.8 v1(119.2,136.051)
  Bottom Layer w0.5: v1(58.2,151.088) 104.543,151.088 v1(104.639,150.992) ; D49.1@119.2,24.675 119.2,24.76 117.325,26.635 117.325,36.49 119.175,38.34 D43.1@119.175,38.425 119.175,38.51 117.325,40.36 117.325,50.154 119.2,52.029 D37.1@119.2,52.114 119.2,52.199 117.378,54.022 117.378,63.957 119.2,65.779 D31.1@119.2,65.864 119.2,65.949 117.3,67.849 117.3,77.38 119.2,79.28 D25.1@119.2,79.365 119.2,79.45 117.3,81.35 117.3,91.015 119.2,92.915 D19.1@119.2,93 119.2,93.085 117.2,95.085 117.2,104.655 119.175,106.63 D13.1@119.175,106.715 119.175,106.8 117.275,108.7 117.275,118.32 119.2,120.245 D7.1@119.2,120.33 119.2,120.415 117.4,122.215 117.4,132.105 119.2,133.905 D1.1@119.2,133.99 v1(119.2,136.051)
RSTGAME: J1.40 S31.1 S31.2 | length 42.3
  Top Layer w0.254: S31.2@8.594,132.25 10.6,134.256 10.6,161.4 16.465,167.265 J1.40@20.51,167.265
VCC: J1.26 J3.79 J3.80 pad.26
WRONG: D60.1 J1.34 | length 30.5
  Top Layer w0.254: D60.1@5.84,157.8 7.4,159.36 7.4,163.618 13.274,169.492 25.903,169.492 J1.34@28.13,167.265
pads on no net: J1.15 J1.20 J1.22 J1.24 J1.29 J2.2 J2.6 J2.10 J2.14 J2.18 J2.22 J2.24 J2.37 J3. J3.01 J3.02 J3.03 J3.04 J3.20 J3.24 J3.26 J3.28 J3.30 J3.42 J3.52 J3.68 J3.69 J3.70 J3.71 J3.72 J3.73 J3.74 J3.75 J3.77 J3.78 U1.9 U2.3 U2.4 U2.5 U2.6 U2.7 U2.9 U2.10 U2.11 U2.12 U2.13 U2.14

## Polygon pours and split planes (outlines as drawn)
GND on Top Layer "TOP_GND_POUR" (solid, remove dead copper, pour order 2): 0,176.625 132.875,176.625 132.875,0 0,0
VCC on Top Layer "TOP_VCC_POUR" (solid, pour order 0): 35.9,170.2 35.4,176.625 47.3,176.625 47.3,166 37.448,166
GND on Bottom Layer "BOTTOM_GND_POUR" (solid, remove dead copper, pour order 1): 0,176.625 132.875,176.625 132.875,0 0,0
no net on Board background "Board Shape-No Net" (solid, pour order 5): 4,176.625 128.865,176.625 cw(c128.875,172.625) 132.875,172.625 132.875,4 cw(c128.875,4) 128.875,0 4,0 cw(c4,4) 0,4 0,172.625 cw(c4,172.625)

## Keep-outs
Keep-Out Layer:
  the board outline again, w0.15

## Silkscreen, mask and mechanical layers (free items; w line width, h text height)
Top Overlay:
  text "SUDOKU" at 44.77,170.17 h4
  text "RSTG" at 21.714,168.273 h1.1 r90
  text "CHECK" at 24.314,168.273 h1.1 r90
  text "NEWG" at 26.814,168.273 h1.1 r90
  text "WRONG" at 29.39,168.273 h1.1 r90
  text "YES" at 31.524,168.273 h1.1 r90
  text "GND" at 32.2,168.173 h1.1
  text "VCC" at 36.8,168.173 h1.1
  text "COL0" at 73.674,166.427 h1.1 r90
  text "COL1" at 76.174,166.427 h1.1 r90
  text "COL2" at 78.674,166.427 h1.1 r90
  text "COL3" at 81.324,166.427 h1.1 r90
  text "COL4" at 83.824,166.427 h1.1 r90
  text "COL5" at 86.324,166.427 h1.1 r90
  text "COL6" at 88.924,166.427 h1.1 r90
  text "COL7" at 95.524,166.427 h1.1 r90
  text "COL8" at 97.824,166.427 h1.1 r90
  text "Correct" at 8.27,162.4 h1.5
  text "MED" at 24.233,160.167 h1.1 r90
  text "KEY1" at 39.436,159.559 h1.1 r90
  text "EASY" at 21.936,159.318 h1.1 r90
  text "KEY0" at 36.936,159.298 h1.1 r90
  text "KEY2" at 44.746,159.298 h1.1 r90
  text "KEY3" at 47.136,159.298 h1.1 r90
  text "KEY5" at 54.566,159.298 h1.1 r90
  text "KEY6" at 57.124,159.298 h1.1 r90
  text "KEY7" at 64.936,159.298 h1.1 r90
  text "KEY8" at 67.417,159.298 h1.1 r90
  text "KEY9" at 69.989,159.298 h1.1 r90
  text "KEY4" at 49.736,159.193 h1.1 r90
  text "HARD" at 26.636,159.046 h1.1 r90
  text "DIGON" at 59.736,158.611 h1.1 r90
  text "COLON" at 41.936,158.423 h1.1 r90
  text "ROWON" at 62.236,157.952 h1.1 r90
  text "LVLSET" at 29.086,157.643 h1.1 r90
  text "GIVEUP" at 31.736,157.491 h1.1 r90
  text "Wrong" at 8.27,157.3 h1.5
  text "--------------Column select--------------" at 20.283,155.55 h2.3
  text "Sudoku v1.0 / 08/15/2021 / Justin Silver" at 123,151.5 h2 r90
  text "1" at 25.15,146.441 h1.5
  text "2" at 35.15,146.441 h1.5
  text "3" at 45.65,146.441 h1.5
  text "4" at 56.208,146.441 h1.5
  text "5" at 66.05,146.441 h1.5
  text "6" at 76.15,146.441 h1.5
  text "7" at 86.15,146.441 h1.5
  text "8" at 96.65,146.441 h1.5
  text "9" at 107.15,146.441 h1.5
  text "New" at 12.104,145 h1.5 r90
  text "---------------------Row select---------------------" at 125.2,143.8 h2.3 r270
  text "1" at 113.25,138.25 h1.5
  text "Guess" at 12.354,134.664 h1.5 r90
  text "Reset" at 12.104,126.685 h1.5 r90
  text "2" at 113.071,124.75 h1.5
  text "End" at 12.104,119.1 h1.5 r90
  text "Level" at 1.7,111.8 h1.5
  text "3" at 113.071,111.25 h1.5
  text "1" at 10.8,108.5 h1.5
  text "2" at 10.3,103.2 h1.5
  text "3" at 10.3,97.9 h1.5
  text "4" at 113,97.25 h1.5
  text "Change" at 10.9,90.6 h1.5
  text "5" at 113.071,83.75 h1.5
  text "---------- / HOW TO PLAY / ----------" at 0.279,79.2 h1.8
  text "6" at 113.071,70.25 h1.5
  text "7" at 113.071,56.75 h1.5
  text "8" at 113.071,42.75 h1.5
  text "9" at 113.071,29.25 h1.5
  text "JLCJLCJLCJLC" at 26.756,25.197 h0.96 r90
  text "CLEAR" at 22.75,11.25 h1.5
  text "1" at 35.25,11.25 h1.5
  text "2" at 44.25,11.25 h1.5
  text "3" at 52.75,11.25 h1.5
  text "4" at 61.75,11.25 h1.5
  text "5" at 70.75,11.25 h1.5
  text "6" at 79.75,11.25 h1.5
  text "7" at 88.75,11.25 h1.5
  text "8" at 97.75,11.25 h1.5
  text "9" at 106.75,11.25 h1.5
  text "Select a difficulty level, then press  / \"NEW\" /  / Normal Sudoku rules: fill each  / row,  / column, / square  / with  / numbers / 1-9 /  / To write to the board, press  / a row/column/digit sequentially, in any order. To erase, be  / sure to press the \"CLEAR\" button /  / When you're ready to submit your solution, press the \"GUESS\" button /  / If your solution is correct, the green LED will light up, otherwise the red LED will /  / Press \"RESET\" to start again, or \"END\" to reveal the solution /  /      Have fun!" at 0.7,7.881 h1.1
  text "KEY5" at 69.847,7.35 h1.1
  text "KEY6" at 78.817,7.353 h1.1
  text "KEY7" at 87.786,7.353 h1.1
  text "KEY8" at 96.728,7.353 h1.1
  text "KEY4" at 60.878,7.328 h1.1
  text "KEY9" at 105.6,7.284 h1.1
  text "KEY0" at 23.9,7.276 h1.1
  text "KEY2" at 42.993,7.276 h1.1
  text "KEY3" at 52.138,7.276 h1.1
  text "KEY1" at 33.969,7.24 h1.1
  text "--------------Digit select--------------" at 21.8,4 h2.3
Bottom Overlay:
  text "RSTG" at 19.283,168.874 h1.1 r270
  text "CHECK" at 21.883,168.874 h1.1 r270
  text "NEWG" at 24.383,168.874 h1.1 r270
  text "WRONG" at 26.958,168.874 h1.1 r270
  text "YES" at 32.3,168.476 h1.1
  text "GND" at 35.901,168.474 h1.1
  text "VCC" at 40.501,168.474 h1.1
  text "+" at 8.589,163.8 h1.52 r180
  text "-" at 2.07,162.53 h1.52 r90
  text "+" at 8.589,158.6 h1.52 r180
  text "-" at 2.07,157.33 h1.52 r90
  text "+" at 6.993,110.4 h1.52 r180
  text "-" at 6.993,107.897 h1.52 r180
  text "+" at 6.993,105.075 h1.52 r180
  text "-" at 6.993,102.439 h1.52 r180
  text "+" at 6.993,99.775 h1.52 r180
  text "-" at 6.993,97.152 h1.52 r180
  text "KEY0" at 23.638,6.9 h1.1 r90
  text "KEY1" at 33.424,6.9 h1.1 r90
  text "KEY2" at 42.424,6.9 h1.1 r90
  text "KEY3" at 51.324,6.9 h1.1 r90
  text "KEY4" at 60.324,6.9 h1.1 r90
  text "KEY5" at 69.324,6.9 h1.1 r90
  text "KEY6" at 78.324,6.9 h1.1 r90
  text "KEY7" at 87.324,6.9 h1.1 r90
  text "KEY8" at 96.224,6.9 h1.1 r90
  text "KEY9" at 105.338,6.9 h1.1 r90
Bottom Solder:
  rectangle: 2.825,52.543 4.751,77.634
  rectangle: 10.862,52.58 12.788,77.671
  lines w0.18: 2.825,52.543 4.825,52.543 4.825,77.708 2.825,77.708 2.825,52.543 ; 10.862,52.58 12.788,52.58 12.788,77.671 10.862,77.671 10.862,52.58
Board Outline:
  the board outline again, w0.15

## Text inside footprints (layer, text, board x,y; h text height)
D1: Bottom Overlay "-" at 114.095,132.594 h1.1 r90
D2: Bottom Overlay "-" at 21.445,155.33 h1 r90
D3: Bottom Overlay "-" at 30.805,13.545 h1.1 r270
D4: Bottom Overlay "-" at 114.095,129.094 h1.1 r90
D5: Bottom Overlay "-" at 21.445,159.363 h1 r90
D6: Bottom Overlay "-" at 30.805,10.387 h1.1 r270
D7: Bottom Overlay "-" at 114.095,118.935 h1.1 r90
D8: Bottom Overlay "-" at 31.695,155.355 h1.1 r90
D9: Bottom Overlay "-" at 39.774,13.545 h1.1 r270
D10: Bottom Overlay "-" at 114.095,115.435 h1.1 r90
D11: Bottom Overlay "-" at 31.695,159.388 h1.1 r90
D12: Bottom Overlay "-" at 39.774,10.387 h1.1 r270
D13: Bottom Overlay "-" at 114.07,105.319 h1.1 r90
D14: Bottom Overlay "-" at 41.917,155.33 h1.1 r90
D15: Bottom Overlay "-" at 48.744,13.545 h1.1 r270
D16: Bottom Overlay "-" at 114.07,101.785 h1.1 r90
D17: Bottom Overlay "-" at 41.917,159.363 h1.1 r90
D18: Bottom Overlay "-" at 48.744,10.387 h1.1 r270
D19: Bottom Overlay "-" at 114.095,91.605 h1.1 r90
D20: Bottom Overlay "-" at 52.154,155.33 h1.1 r90
D21: Bottom Overlay "-" at 57.713,13.545 h1.1 r270
D22: Bottom Overlay "-" at 114.095,88.07 h1.1 r90
D23: Bottom Overlay "-" at 52.154,159.363 h1.1 r90
D24: Bottom Overlay "-" at 57.713,10.387 h1.1 r270
D25: Bottom Overlay "-" at 114.095,77.969 h1.1 r90
D26: Bottom Overlay "-" at 62.366,155.33 h1.1 r90
D27: Bottom Overlay "-" at 66.683,13.545 h1.1 r270
D28: Bottom Overlay "-" at 114.095,74.435 h1.1 r90
D29: Bottom Overlay "-" at 62.366,159.363 h1.1 r90
D30: Bottom Overlay "-" at 66.683,10.387 h1.1 r270
D31: Bottom Overlay "-" at 114.095,64.469 h1.1 r90
D32: Bottom Overlay "-" at 72.626,155.33 h1.1 r90
D33: Bottom Overlay "-" at 75.652,13.545 h1.1 r270
D34: Bottom Overlay "-" at 114.095,60.935 h1.1 r90
D35: Bottom Overlay "-" at 72.626,159.363 h1.1 r90
D36: Bottom Overlay "-" at 75.652,10.387 h1.1 r270
D37: Bottom Overlay "-" at 114.095,50.719 h1.1 r90
D38: Bottom Overlay "-" at 82.862,155.33 h1.1 r90
D39: Bottom Overlay "-" at 84.622,13.545 h1.1 r270
D40: Bottom Overlay "-" at 114.095,47.185 h1.1 r90
D41: Bottom Overlay "-" at 82.862,159.363 h1.1 r90
D42: Bottom Overlay "-" at 84.622,10.387 h1.1 r270
D43: Bottom Overlay "-" at 114.07,37.03 h1.1 r90
D44: Bottom Overlay "-" at 93.098,155.33 h1.1 r90
D45: Bottom Overlay "-" at 93.591,13.545 h1.1 r270
D46: Bottom Overlay "-" at 114.07,33.495 h1.1 r90
D47: Bottom Overlay "-" at 93.098,159.363 h1.1 r90
D48: Bottom Overlay "-" at 93.591,10.387 h1.1 r270
D49: Bottom Overlay "-" at 114.095,23.28 h1.1 r90
D50: Bottom Overlay "-" at 103.334,155.33 h1.1 r90
D51: Bottom Overlay "-" at 102.533,13.545 h1.1 r270
D52: Bottom Overlay "-" at 114.095,19.745 h1.1 r90
D53: Bottom Overlay "-" at 103.334,159.363 h1.1 r90
D54: Bottom Overlay "-" at 102.533,10.387 h1.1 r270
D55: Bottom Overlay "-" at 111.505,13.62 h1.1 r270
D56: Top Overlay "-" at 1.902,106.105 h1.52 r90
D57: Top Overlay "-" at 1.902,100.705 h1.52 r90
D58: Top Overlay "-" at 1.902,95.405 h1.52 r90
D59: Top Overlay "-" at 2.07,162.434 h1.52 r90
D60: Top Overlay "-" at 2.07,157.234 h1.52 r90
J1: Bottom Overlay "1" at 69.2,169.6 h1.27; Bottom Overlay "40" at 18.4,166.9 h1.27
J2: Bottom Overlay "1" at 20.15,144.15 h1.27; Bottom Overlay "40" at 13,94.7 h1.27